# Altium PCB 5600BB3T Dev.Board.PcbDoc (part 1 of 2)
Units mm, origin at the board's own origin, x right, y up, seen from the top; angles counter-clockwise.
Board outline 100 x 100 mm, 2 copper layers (Top Layer, Bottom Layer); 117 components, 92 nets, 493 pads, 391 vias.
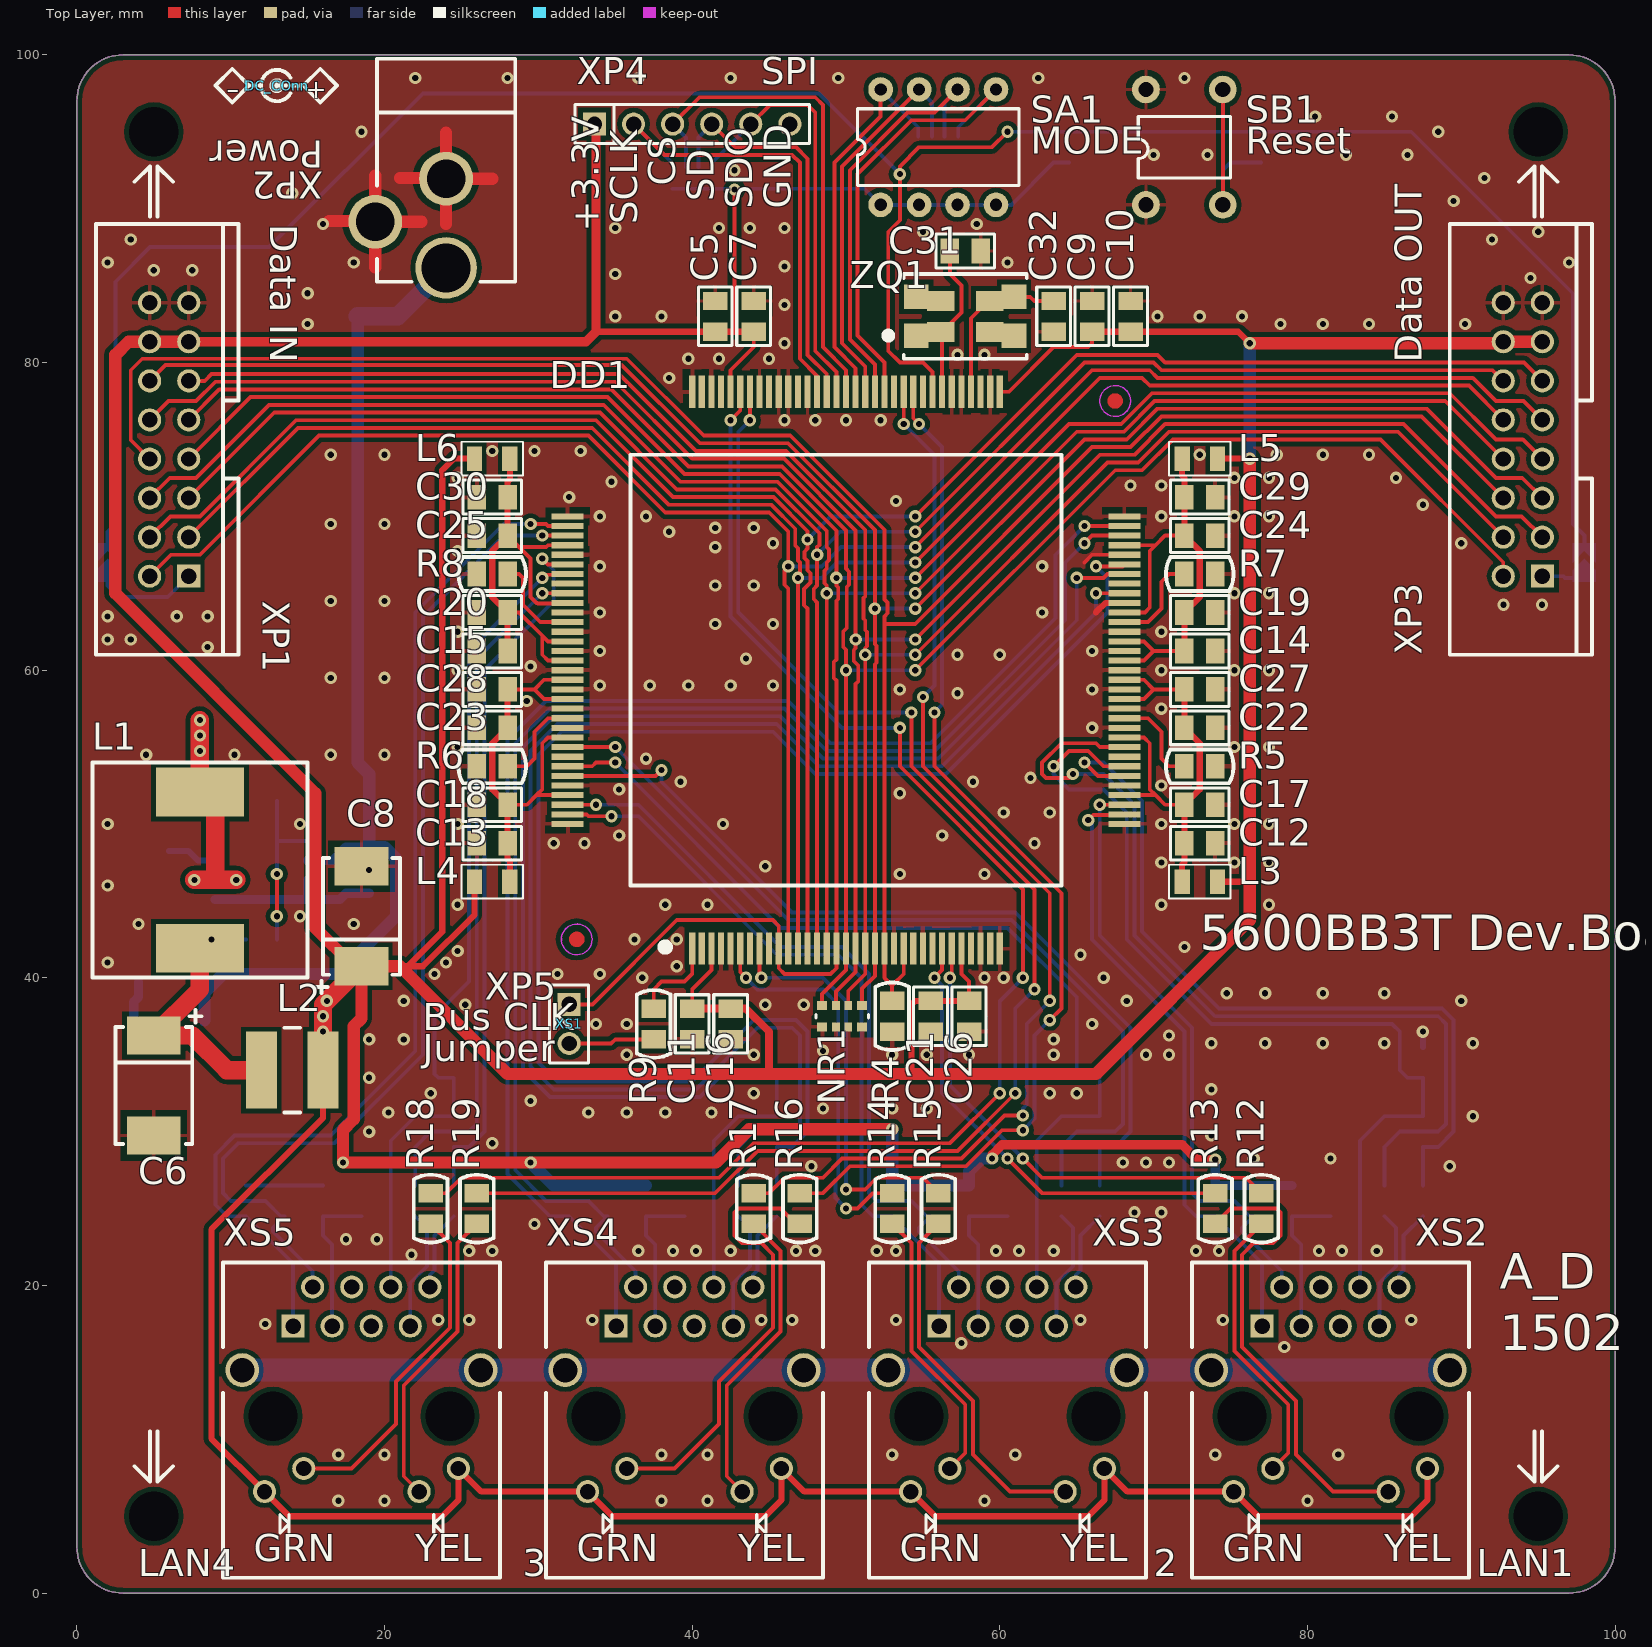
[diagram p0: Top Layer view]
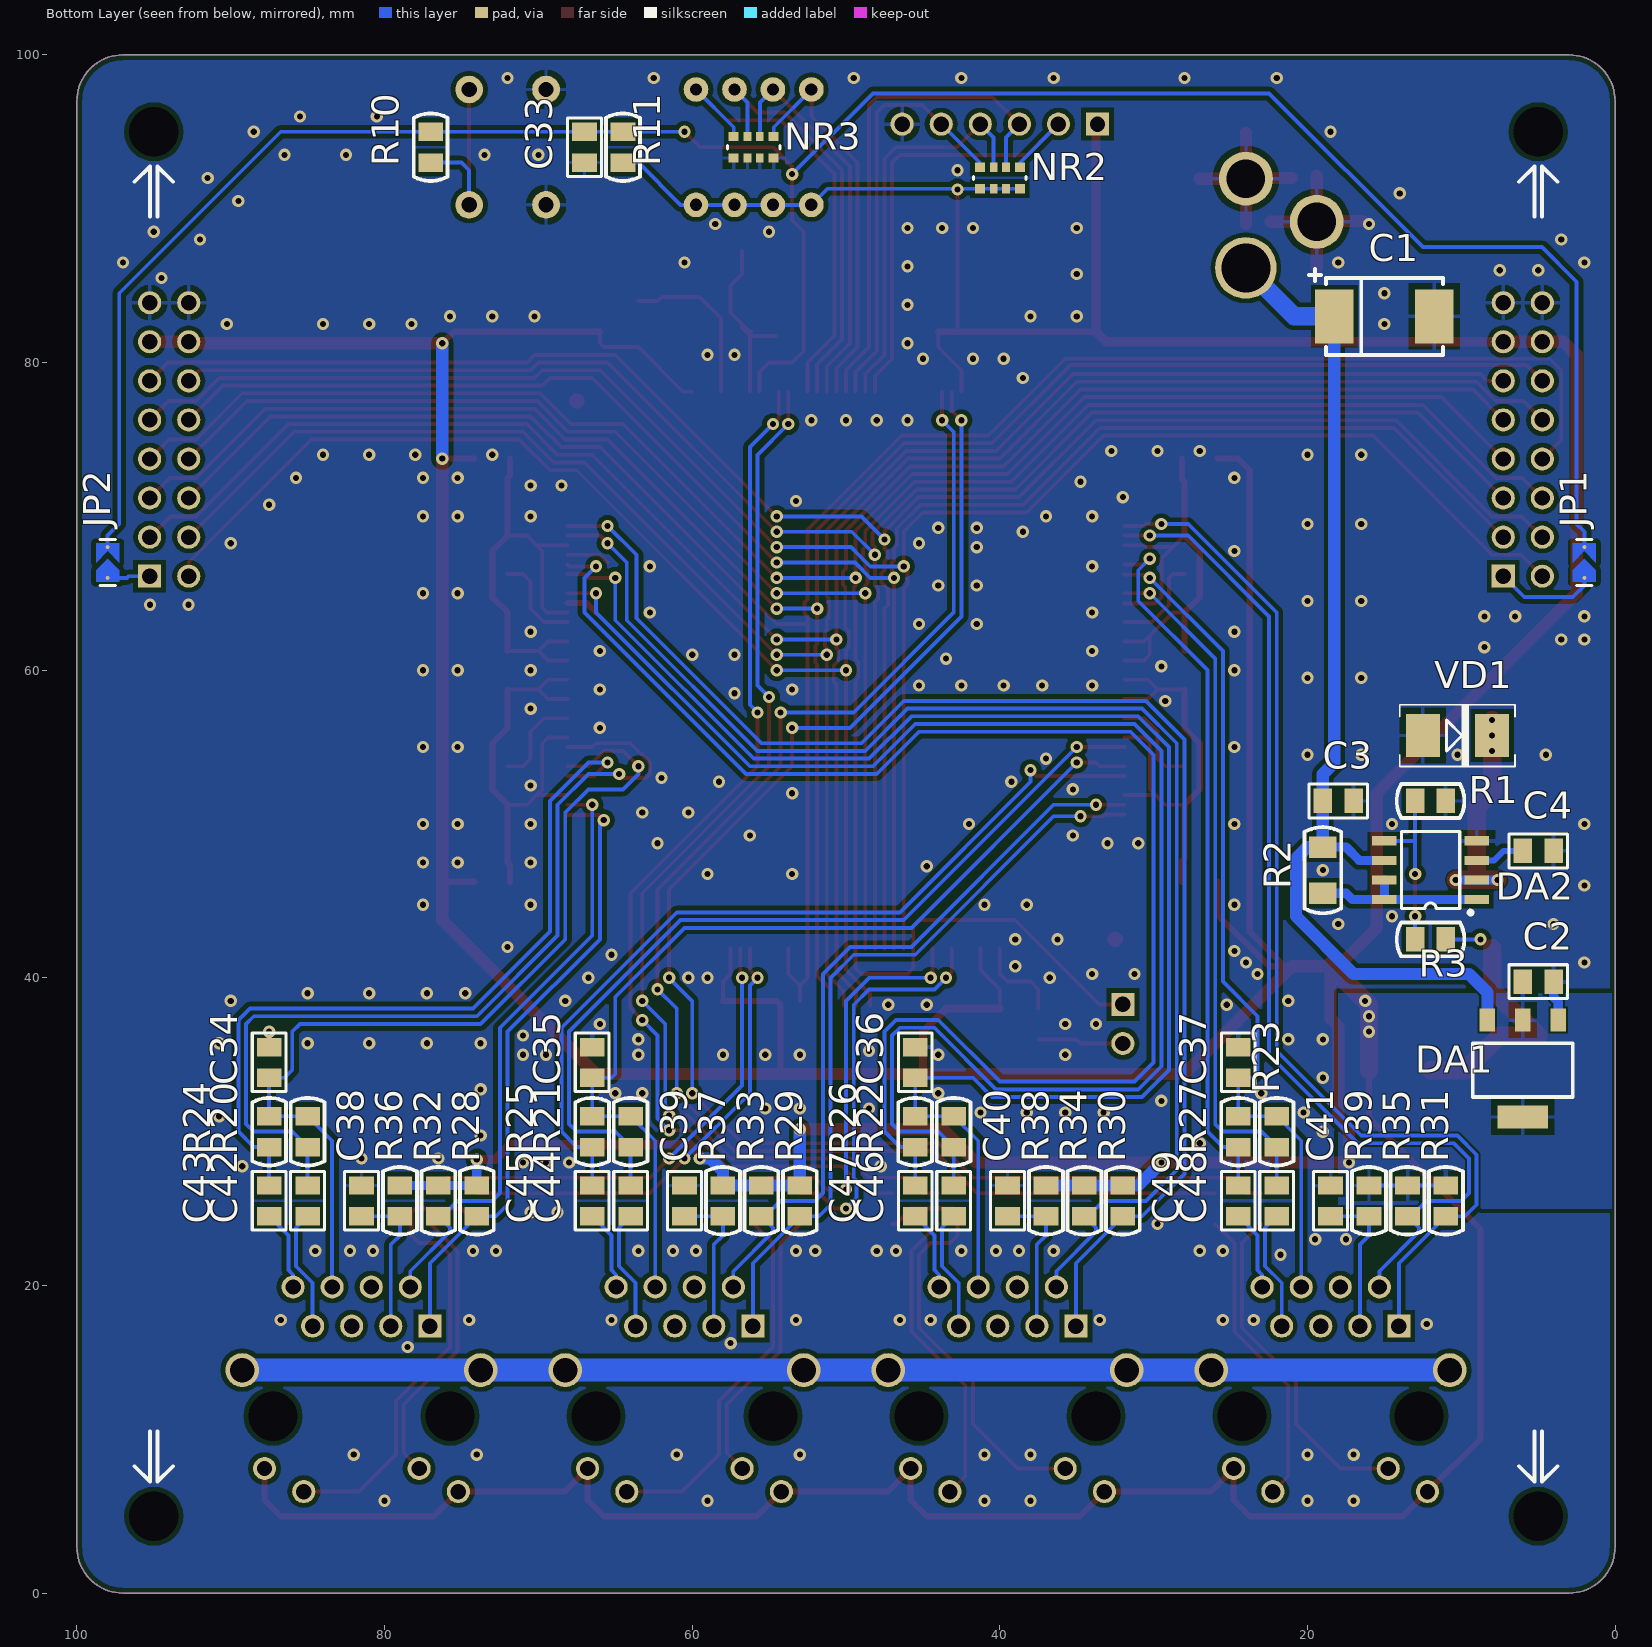
[diagram p1: Bottom Layer view, seen from below]
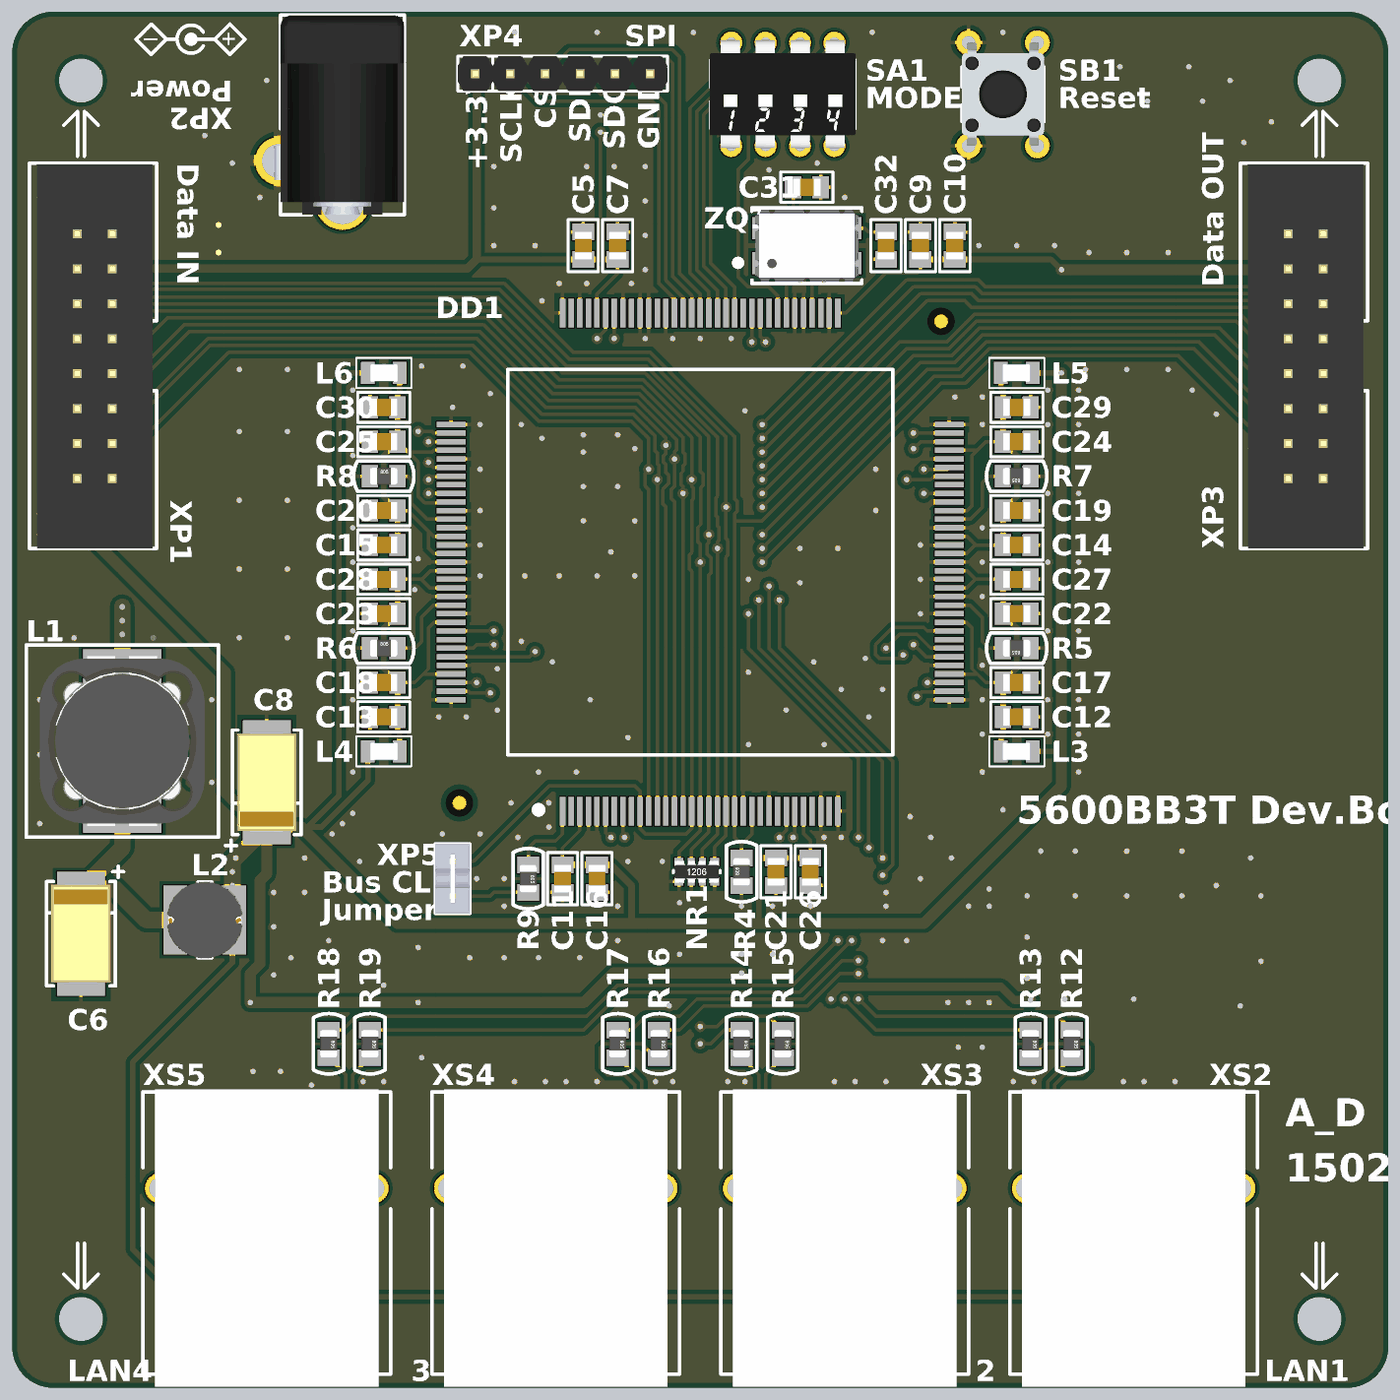
[diagram p3: 3D render of the assembled board from above, using the file's embedded part models]
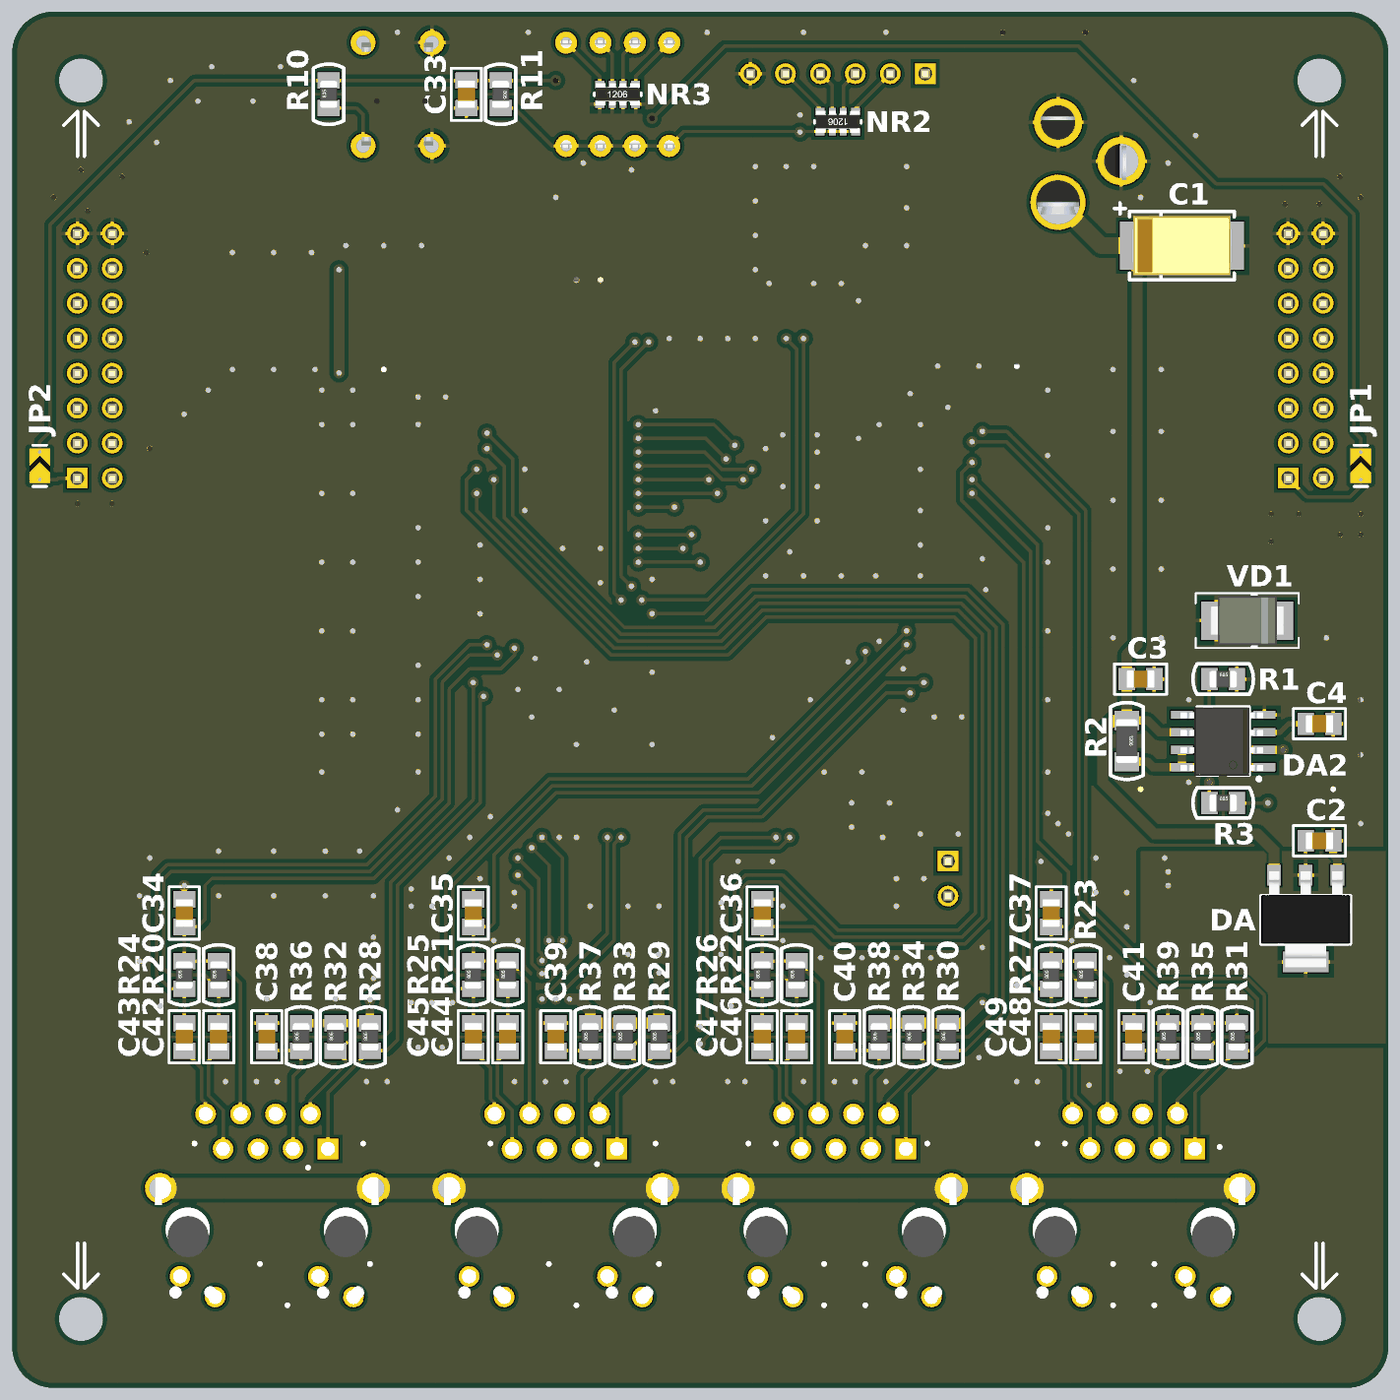
[diagram p4: 3D render of the assembled board from below, using the file's embedded part models]

## Layer stack, top to bottom
Top Solder: solder mask 0.0102, Solder Resist, Dk 3.5
Top Layer: signal copper 0.0356
Dielectric1: dielectric 0.32, FR-4, Dk 4.8
Bottom Layer: signal copper 0.0356
Bottom Solder: solder mask 0.0102, Solder Resist, Dk 3.5

## Board outline
0,3 0,97 cw(c3,97) 3,100 97,100 cw(c97,97) 100,97 100,3 cw(c97,3) 97,0 3,0 cw(c3,3)

## Design rules (kind name [scope] priority, off if disabled: settings)
Clearance Clearance_GND_Poly [(InNet('GND') AND InPolygon )] p1: gap=0.3 ignorepadtopadclearanceinfootprint=FALSE except(0: Arc-Hole Track-Hole SMDPad-Hole THPad-Hole Via-Hole Fill-Hole Poly-Hole Region-Hole Text-Hole)
Clearance Clearance_Общ_Poly [(InNet('Общ') AND InPolygon )] p2: gap=0.3 ignorepadtopadclearanceinfootprint=FALSE except(0: Arc-Hole Track-Hole SMDPad-Hole THPad-Hole Via-Hole Fill-Hole Poly-Hole Region-Hole Text-Hole)
Clearance [All] p3: gap=0.15 ignorepadtopadclearanceinfootprint=FALSE except(0: Arc-Hole Track-Hole SMDPad-Hole THPad-Hole Via-Hole Fill-Hole Poly-Hole Region-Hole Text-Hole; 0.155: Track-Track)
ComponentClearance [All] p1: gap=0.25 collisioncheckmode=3 verticalgap=0.25 showdistances=FALSE
DiffPairsRouting [All] p1: maxlimit=0.254 minlimit=0.254 mostfreqgap=0.254 toplayer_minwidth=0.381 toplayer_maxwidth=0.381 toplayer_prefwidth=0.381 bottomlayer_minwidth=0.381 bottomlayer_maxwidth=0.381 bottomlayer_prefwidth=0.381 maxuncoupledlength=12
Height [All] p1: minheight=0 maxheight=25 prefheight=25
HoleSize [All] p1: absolutevalues=TRUE maxlimit=6 minlimit=0.3 maxpercent=80.000 minpercent=20.000
HoleToHoleClearance [All] p1: gap=0.25 allowstackedmicrovias=TRUE
MinimumSolderMaskSliver [All] p1 off: minsoldermaskwidth=0.254
PlaneClearance [All] p1: clearance=0.5
PlaneConnect [All] p1: planeconnectstyle=Relief reliefexpansion=0.5 reliefentries=4 reliefconductorwidth=0.25 reliefairgap=0.25
PolygonConnect [All vs (InPadClass('All Pads'))] p1: connectstyle=Relief reliefconductorwidth=0.25 reliefentries=4 polygonreliefangle="90 Angle" airgapwidth=0.4
PolygonConnect PolygonConnect_Via [All] p2: connectstyle=Direct reliefconductorwidth=0.254 reliefentries=4 polygonreliefangle="90 Angle" airgapwidth=0.254
RoutingCorners [All] p1: cornerstyle=45-Degree minsetback=1.5 maxsetback=3.5
RoutingVias [All] p1: holewidth=0.6 width=1.2 viastyle="Through Hole" minholewidth=0.3 minwidth=0.6 maxholewidth=1 maxwidth=2
SMDEntry [All] p1: side=TRUE corner=TRUE anyangle=TRUE
SilkToSilkClearance [All] p1 off: silktosilkclearance=0.254
SilkToSolderMaskClearance [IsPad] p1 off: minsilkscreentomaskgap=0.254 clearancetoexposedcopper=TRUE
SolderMaskExpansion [All] p1: expansion=0.1
Width [All] p1: maxlimit=8 minlimit=0.2 preferedwidth=0.6
Width Width_TrackEnds [All] p2 off: maxlimit=0.25 minlimit=0.25 preferedwidth=0.25 checkconnectedcopper=TRUE
19 further rules are at their usual default settings.

## Classes and differential pairs
net class SPI: SPI_CLK SPI_CS SPI_SDI SPI_SDO
net class MODE: MODE0 MODE1 MODE2 MODE3
net class MII: DATA_CLK DATA_RX0 DATA_RX1 DATA_RX2 DATA_RX3 DATA_RXEN DATA_TX0 DATA_TX1 DATA_TX2 DATA_TX3 DATA_TXEN
net class LAN4: EXRES4 LINK_G4 LINK_R4 RXD4_M RXD4_N RXD4_P TX4_N TX4_P
net class LAN3: EXRES3 EXRES4 LINK_G3 LINK_R3 RXD3_M RXD3_N RXD3_P RXD4_M RXD4_N RXD4_P TX3_N TX3_P TX4_N TX4_P
net class LAN2: EXRES2 EXRES3 LINK_G2 LINK_R2 RXD2_M RXD2_N RXD2_P RXD3_N RXD3_P TX2_N TX2_P TX3_N TX3_P
net class LAN1: EXRES1 LINK_G1 LINK_R1 RXD1_N RXD1_P TX1_N TX1_P

## Components (designator, comment, footprint, x,y, rotation, side; value= is the part's Value field where it differs from the comment)
C1 "Capacitor-T" C7343H-P 15,83 r180 bottom value=100uF
C2 "Capacitor" C0805 5,39.75 r0 bottom value=0.1uF
C3 "Capacitor" C0805 18,51.5 r0 bottom value=0.1uF
C4 "Capacitor" C0805 5,48.25 r0 bottom value=220p
C5 "Capacitor" C0805 41.5,83 r270 top value=0.1uF
C6 "Capacitor-T" C7343H-P 5,33 r270 top value=470uF
C7 "Capacitor" C0805 44,83 r270 top value=100p
C8 "Capacitor-T" C7343-P 18.5,44 r90 top value=68uF
C9 "Capacitor" C0805 66,83 r270 top value=0.1uF
C10 "Capacitor" C0805 68.5,83 r270 top value=100p
C11 "Capacitor" C0805 40,37 r90 top value=0.1uF
C12 "Capacitor" C0805 73,48.75 r180 top value=0.1uF
C13 "Capacitor" C0805 27,48.75 r0 top value=0.1uF
C14 "Capacitor" C0805 73,61.25 r180 top value=0.1uF
C15 "Capacitor" C0805 27,61.25 r0 top value=0.1uF
C16 "Capacitor" C0805 42.5,37 r90 top value=100p
C17 "Capacitor" C0805 73,51.25 r180 top value=100p
C18 "Capacitor" C0805 27,51.25 r0 top value=100p
C19 "Capacitor" C0805 73,63.75 r180 top value=100p
C20 "Capacitor" C0805 27,63.75 r0 top value=100p
C21 "Capacitor" C0805 55.5,37.5 r90 top value=0.1uF
C22 "Capacitor" C0805 73,56.25 r180 top value=0.1uF
C23 "Capacitor" C0805 27,56.25 r0 top value=0.1uF
C24 "Capacitor" C0805 73,68.75 r180 top value=0.1uF
C25 "Capacitor" C0805 27,68.75 r0 top value=0.1uF
C26 "Capacitor" C0805 58,37.5 r90 top value=100p
C27 "Capacitor" C0805 73,58.75 r180 top value=100p
C28 "Capacitor" C0805 27,58.75 r0 top value=100p
C29 "Capacitor" C0805 73,71.25 r180 top value=100p
C30 "Capacitor" C0805 27,71.25 r0 top value=100p
C31 "Capacitor" C0805 57.75,87.25 r180 top value=15p
C32 "Capacitor" C0805 63.5,83 r90 top value=15p
C33 "Capacitor" C0805 67,94 r90 bottom value=0.1uF
C34 "Capacitor" C0805 87.5,34.5 r90 bottom value=0.01uF
C35 "Capacitor" C0805 66.5,34.5 r90 bottom value=0.01uF
C36 "Capacitor" C0805 45.5,34.5 r90 bottom value=0.01uF
C37 "Capacitor" C0805 24.5,34.5 r90 bottom value=0.01uF
C38 "Capacitor" C0805 81.5,25.5 r270 bottom value=0.022uF
C39 "Capacitor" C0805 60.5,25.5 r270 bottom value=0.022uF
C40 "Capacitor" C0805 39.5,25.5 r270 bottom value=0.022uF
C41 "Capacitor" C0805 18.5,25.5 r270 bottom value=0.022uF
C42 "Capacitor" C0805 85,25.5 r270 bottom value=6800p
C43 "Capacitor" C0805 87.5,25.5 r270 bottom value=6800p
C44 "Capacitor" C0805 64,25.5 r270 bottom value=6800p
C45 "Capacitor" C0805 66.5,25.5 r270 bottom value=6800p
C46 "Capacitor" C0805 43,25.5 r270 bottom value=6800p
C47 "Capacitor" C0805 45.5,25.5 r270 bottom value=6800p
C48 "Capacitor" C0805 22,25.5 r270 bottom value=6800p
C49 "Capacitor" C0805 24.5,25.5 r270 bottom value=6800p
DA1 "LM1117-Series" SOT-223 6,34 r0 bottom value=LM1117MPX-3.3
DA2 "1156ЕУ5" SO8 12,47 r90 bottom value=К1156ЕУ5ВТ
DC_COnn "" LG-DC-Connector 13,98 r180 top
DD1 "5600ВВ3Т" 4229.132-3 50,60 r0 top value=5600ВГ1У
JP1 "ResI" JS-S-2x 2,67 r90 bottom net-tie
JP2 "ResO" JS-S-2x 98,67 r90 bottom net-tie
L1 "Coil" CDRH127 8,47 r0 top value=100uH
L2 "Coil" SDR0604-Series 14,34 r0 top value=SDR0604-4R7ML
L3 "FerriteBead" L0805 73,46.25 r180 top value=BLM21PG331SN1
L4 "FerriteBead" L0805 27,46.25 r0 top value=BLM21PG331SN1
L5 "FerriteBead" L0805 73,73.75 r180 top value=BLM21PG331SN1
L6 "FerriteBead" L0805 27,73.75 r0 top value=BLM21PG331SN1
NR1 "Resistor-4" CAY16-x4 49.75,37.5 r0 top value=10k
NR2 "Resistor-4" CAY16-x4 40,92 r0 bottom value=10k
NR3 "Resistor-4" CAY16-x4 56,94 r180 bottom value=10k
R1 "Resistor" R0805 12,51.5 r180 bottom value=5.1k
R2 "Resistor" R1206 19,47 r270 bottom value=0.33
R3 "Resistor" R0805 12,42.5 r180 bottom value=10k
R4 "Resistor" R0805 53,37.5 r90 top value=47k
R5 "Resistor" R0805 73,53.75 r180 top value=12.4k
R6 "Resistor" R0805 27,53.75 r0 top value=12.4k
R7 "Resistor" R0805 73,66.25 r180 top value=12.4k